# Altium PCB EDA-03518-V3-0_pcb.pcbdoc (part 7 of 14)
Units mm, origin at the board's own origin, x right, y up, seen from the top; angles counter-clockwise.
Board outline 220 x 230 mm, 8 copper layers (Top Layer, L2P, L3, L4P, L5P, L6, L7P, Bottom Layer), stack 2.18 mm thick; 1190 components, 1445 nets, 5955 pads, 2149 vias.
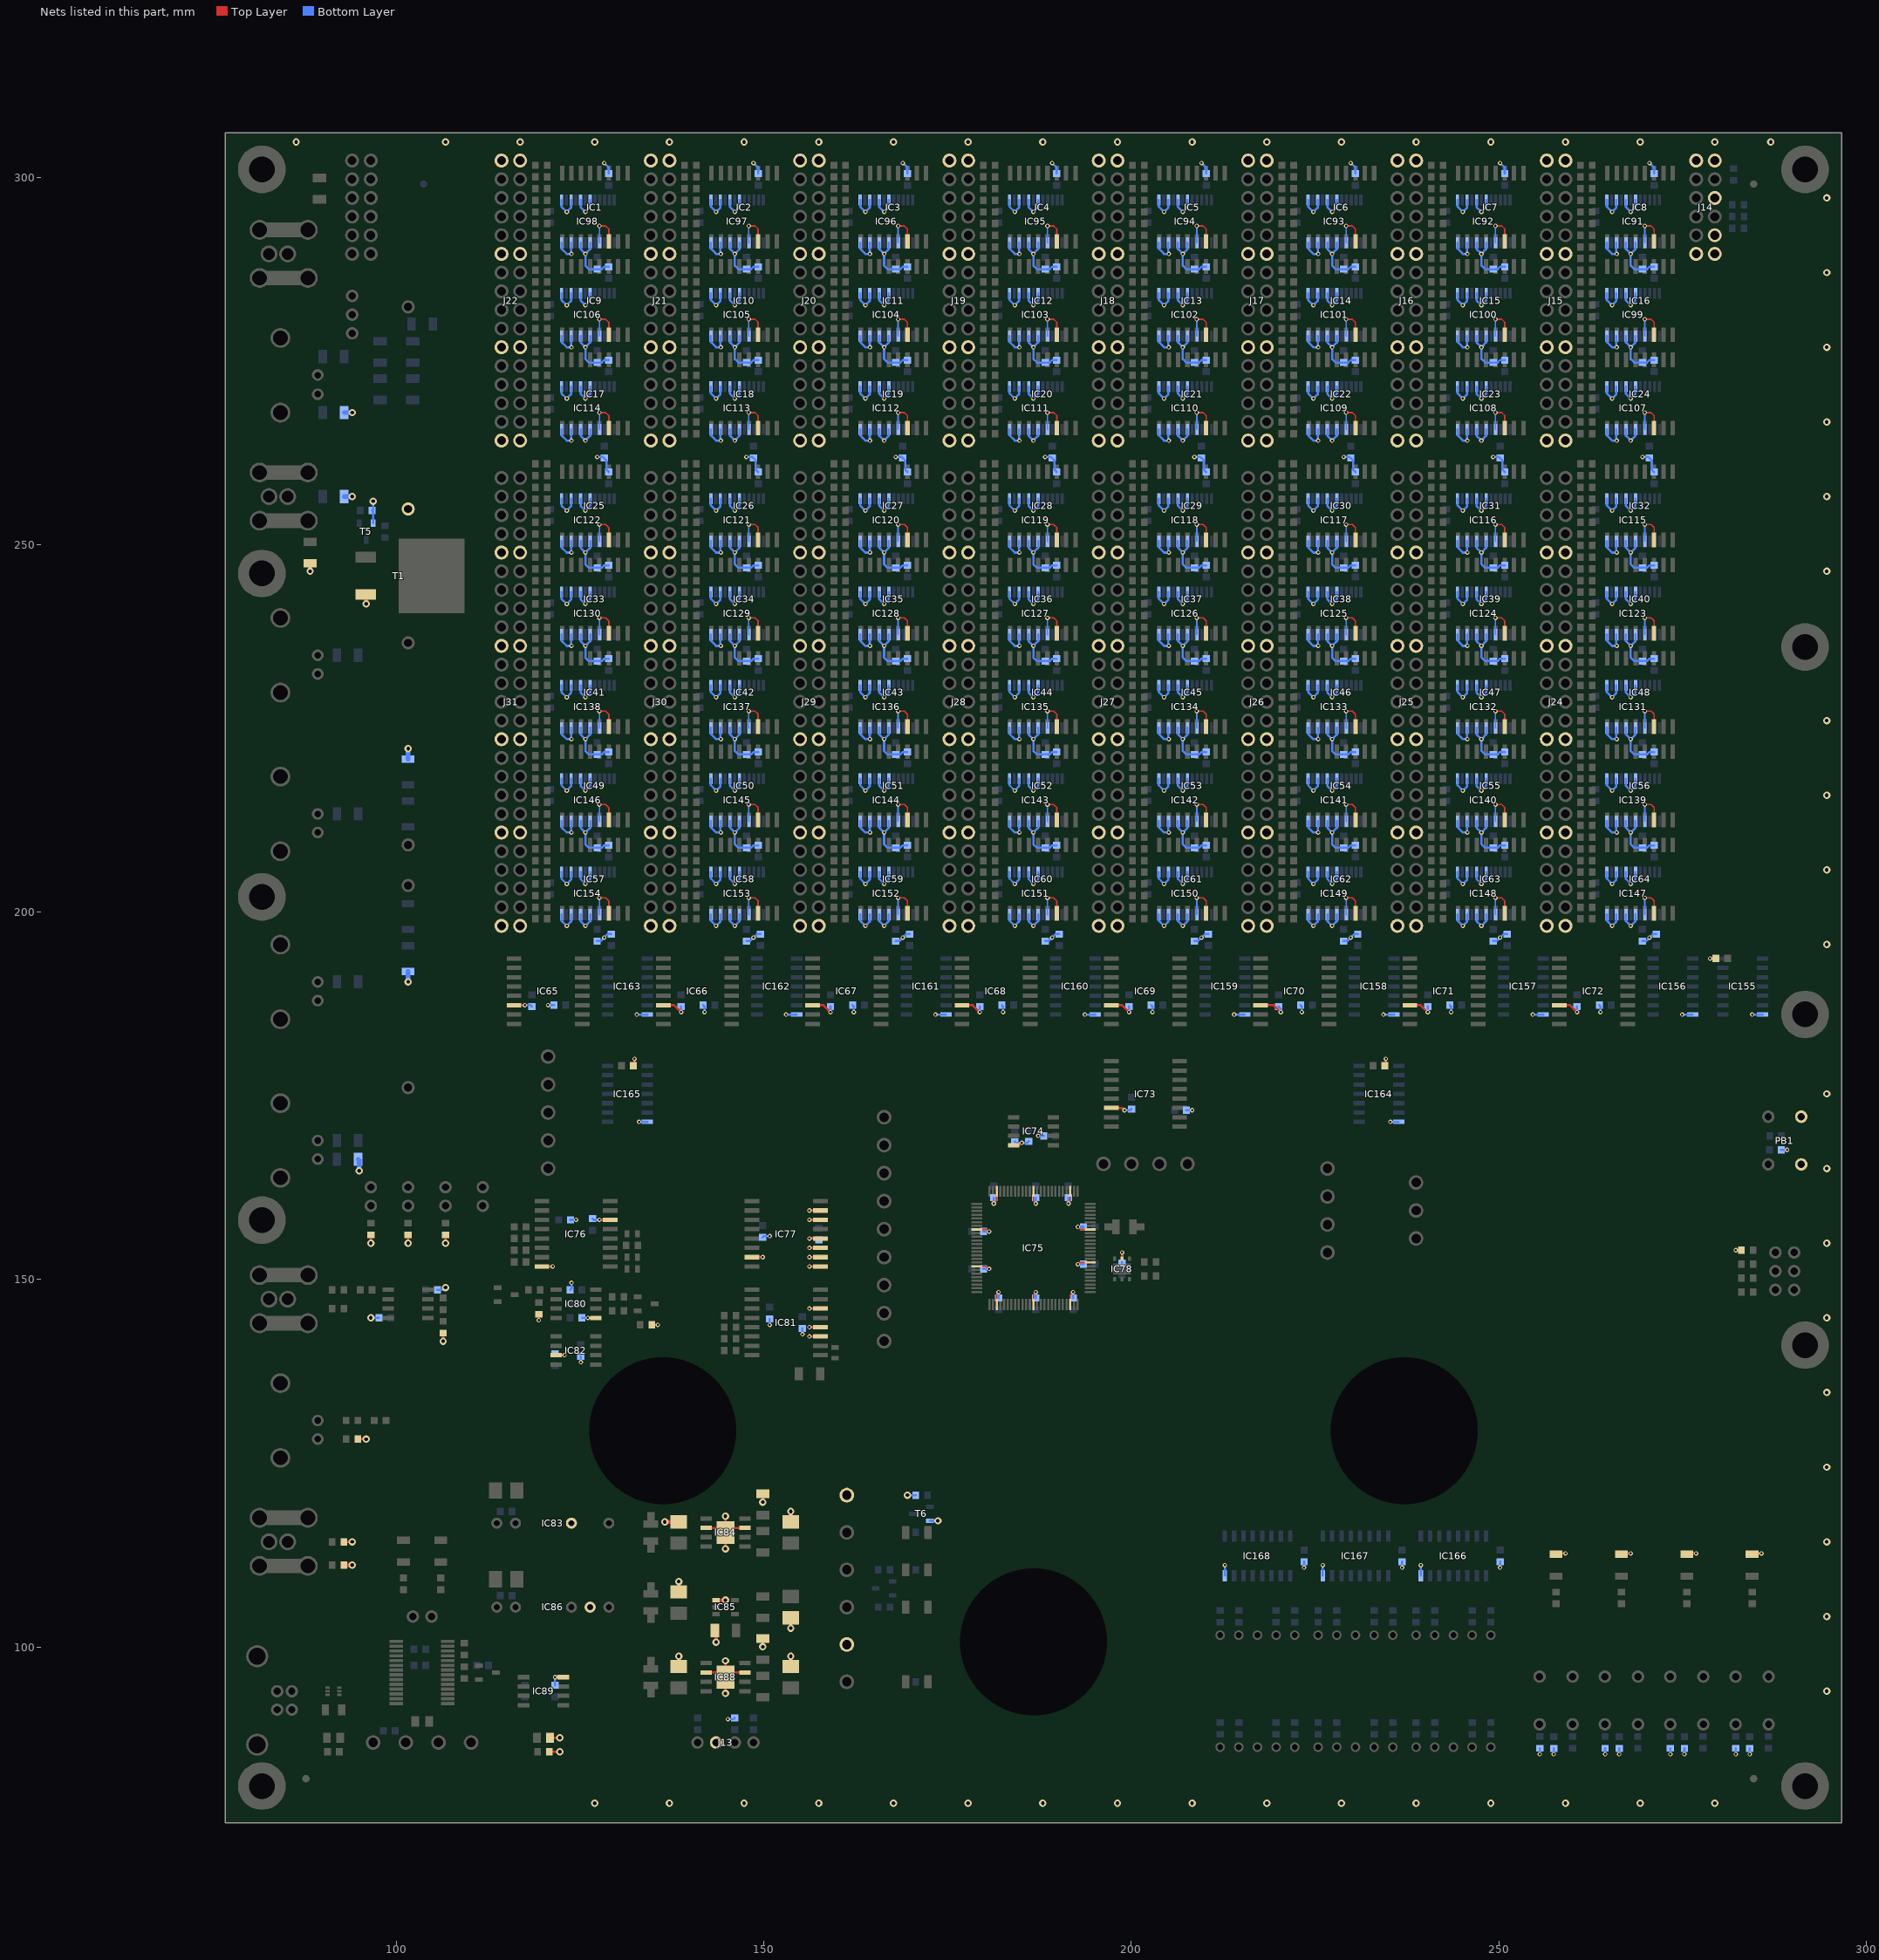
[diagram p13: the nets of this part, all layers, seen from the top]

## Via types
v1: diameter 0.6, hole 0.3, Top Layer to Bottom Layer, tented both sides, 1995 vias
v2: diameter 1, hole 0.5, Top Layer to Bottom Layer, tented both sides, 154 vias

## Nets (pads, with @x,y where several pads share a name; then routed paths per layer and width w, separated by ;. In a path a pad name is that pad's centre, name@x,y a point inside that pad or via, vN(x,y) a via of type N, cw(c..) or ccw(c..) an arc to the next point about the centre after c; other vN are vias at no path point) (continued)
GND: C1.1 C4.1 C5.1 C6.1 C8.2 C9.2 C11.1 C12.1 C13.2 C14.2 C16.1 C17.1 C18.1 C19.1 C20.1 C21.1 C22.1 C23.1 C24.1 C25.1 C26.1 C27.1 C28.1 C29.1 C30.1 C31.1 C32.1 C33.1 C34.1 C35.1 C36.1 C37.1 C38.1 C39.1 C40.1 C41.1 C42.1 C43.1 C44.1 C45.1 C46.1 C47.1 C48.1 C49.1 C50.1 C51.1 C52.1 C53.1 C54.1 C55.1 C56.1 C57.1 C58.1 C59.1 C60.1 C61.1 C62.1 C63.1 C64.1 C65.1 C66.1 C67.1 C68.1 C69.1 C70.1 C71.1 C72.1 C73.1 C74.1 C75.1 C76.1 C77.1 C78.1 C79.1 C80.1 C81.1 C82.1 C83.1 C84.1 C85.1 C86.1 C87.1 C88.1 C89.1 C90.1 C91.1 C92.1 C93.1 C94.1 C95.1 C96.1 C97.1 C98.1 C99.1 C100.1 C101.1 C102.1 C103.1 C104.1 C105.1 C106.1 C107.1 C108.1 C109.1 C110.1 C111.1 C112.1 C113.1 C114.1 C115.1 C116.1 C117.1 C118.1 C119.1 C120.1 C121.1 C122.1 C123.1 C124.1 C125.1 C126.1 C127.1 C128.1 C129.1 C130.1 C131.1 C132.1 C133.1 C134.1 C135.1 C136.1 C137.1 C138.1 C139.1 C140.1 C141.1 C142.1 C143.1 C144.1 C145.1 C146.1 C147.1 C148.1 C149.1 C150.1 C151.1 C152.1 C153.1 C154.1 C155.1 C156.1 C157.1 C158.1 C159.1 C160.1 C161.1 C162.1 C163.1 C164.1 C165.1 C166.1 C167.1 C168.1 C169.1 C170.1 C171.1 C172.1 C173.1 C174.1 C175.1 C176.2 C177.2 C178.1 C179.2 C180.2 C181.1 C182.1 C183.2 C184.1 C185.2 C186.2 C187.1 C188.1 C189.2 C190.2 C191.2 C192.1 C193.1 C194.1 C195.2 C196.1 C197.1 C199.1 C200.1 C201.1 C206.1 C208.1 C210.1 C211.1 C212.1 C213.1 D1.2 D4.2 IC1.14 IC2.14 IC3.14 IC4.14 IC5.14 IC6.14 IC7.14 IC8.14 IC9.14 IC10.14 IC11.14 IC12.14 IC13.14 IC14.14 IC15.14 IC16.14 IC17.14 IC18.14 IC19.14 IC20.14 IC21.14 IC22.14 IC23.14 IC24.14 IC25.14 IC26.14 IC27.14 IC28.14 IC29.14 IC30.14 IC31.14 IC32.14 IC33.14 IC34.14 IC35.14 IC36.14 IC37.14 IC38.14 IC39.14 IC40.14 IC41.14 IC42.14 IC43.14 IC44.14 IC45.14 IC46.14 IC47.14 IC48.14 IC49.14 IC50.14 IC51.14 IC52.14 IC53.14 IC54.14 IC55.14 IC56.14 IC57.14 IC58.14 IC59.14 IC60.14 IC61.14 IC62.14 IC63.14 IC64.14 IC65.14 IC66.14 IC67.14 IC68.14 IC69.14 IC70.14 IC71.14 IC72.14 IC73.14 IC74.4 IC75.3 IC75.13 IC75.23 IC75.33 IC75.43 IC75.53 IC75.63 IC75.73 IC75.84 IC75.93 IC76.8 IC76.14 IC77.7 IC77.9 IC77.10 IC77.11 IC77.12 IC77.14 IC77.15 IC78.2 IC80.5 IC81.11 IC81.12 IC81.14 IC82.3 IC83.5 IC84.3 IC84.6 IC84.9 IC85.1 IC86.6 IC88.3 IC88.6 IC88.9 IC89.4 IC91.4 IC91.6 IC91.8 IC91.10 IC91.12 IC91.13 IC91.15 IC91.17 IC91.19 IC92.4 IC92.6 IC92.8 IC92.10 IC92.12 IC92.13 IC92.15 IC92.17 IC92.19 IC93.4 IC93.6 IC93.8 IC93.10 IC93.12 IC93.13 IC93.15 IC93.17 IC93.19 IC94.4 IC94.6 IC94.8 IC94.10 IC94.12 IC94.13 IC94.15 IC94.17 IC94.19 IC95.4 IC95.6 IC95.8 IC95.10 IC95.12 IC95.13 IC95.15 IC95.17 IC95.19 IC96.4 IC96.6 IC96.8 IC96.10 IC96.12 IC96.13 IC96.15 IC96.17 IC96.19 IC97.4 IC97.6 IC97.8 IC97.10 IC97.12 IC97.13 IC97.15 IC97.17 IC97.19 IC98.4 IC98.6 IC98.8 IC98.10 IC98.12 IC98.13 IC98.15 IC98.17 IC98.19 IC99.4 IC99.6 IC99.8 IC99.10 IC99.12 IC99.13 IC99.15 IC99.17 IC99.19 IC100.4 IC100.6 IC100.8 IC100.10 IC100.12 IC100.13 IC100.15 IC100.17 IC100.19 IC101.4 IC101.6 IC101.8 IC101.10 IC101.12 IC101.13 IC101.15 IC101.17 IC101.19 IC102.4 IC102.6 IC102.8 IC102.10 IC102.12 IC102.13 IC102.15 IC102.17 IC102.19 IC103.4 IC103.6 IC103.8 IC103.10 IC103.12 IC103.13 IC103.15 IC103.17 IC103.19 IC104.4 IC104.6 IC104.8 IC104.10 IC104.12 IC104.13 IC104.15 IC104.17 IC104.19 IC105.4 IC105.6 IC105.8 IC105.10 IC105.12 IC105.13 IC105.15 IC105.17 IC105.19 IC106.4 IC106.6 IC106.8 IC106.10 IC106.12 IC106.13 IC106.15 IC106.17 IC106.19 IC107.4 IC107.6 IC107.8 IC107.10 IC107.12 IC107.13 IC107.15 IC107.17 IC107.19 IC108.4 IC108.6 IC108.8 IC108.10 IC108.12 IC108.13 IC108.15 IC108.17 IC108.19 IC109.4 IC109.6 IC109.8 IC109.10 IC109.12 IC109.13 IC109.15 IC109.17 IC109.19 IC110.4 IC110.6 IC110.8 IC110.10 IC110.12 IC110.13 IC110.15 IC110.17 IC110.19 IC111.4 IC111.6 IC111.8 IC111.10 IC111.12 IC111.13 IC111.15 IC111.17 IC111.19 IC112.4 IC112.6 IC112.8 IC112.10 IC112.12 IC112.13 IC112.15 IC112.17 IC112.19 IC113.4 IC113.6 IC113.8 IC113.10 IC113.12 IC113.13 IC113.15 IC113.17 IC113.19 IC114.4 IC114.6 IC114.8 IC114.10 IC114.12 IC114.13 IC114.15 IC114.17 IC114.19 IC115.4 IC115.6 IC115.8 IC115.10 IC115.12 IC115.13 IC115.15 IC115.17 IC115.19 IC116.4 IC116.6 IC116.8 IC116.10 IC116.12 IC116.13 IC116.15 IC116.17 IC116.19 IC117.4 IC117.6 IC117.8 IC117.10 IC117.12 IC117.13 IC117.15 IC117.17 IC117.19 IC118.4 IC118.6 IC118.8 IC118.10 IC118.12 IC118.13 IC118.15 IC118.17 IC118.19 IC119.4 IC119.6 IC119.8 IC119.10 IC119.12 IC119.13 IC119.15 IC119.17 IC119.19 IC120.4 IC120.6 IC120.8 IC120.10 IC120.12 IC120.13 IC120.15 IC120.17 IC120.19 IC121.4 IC121.6 IC121.8 IC121.10 IC121.12 IC121.13 IC121.15 IC121.17 IC121.19 IC122.4 IC122.6 IC122.8 IC122.10 IC122.12 IC122.13 IC122.15 IC122.17 IC122.19 IC123.4 IC123.6 IC123.8 IC123.10 IC123.12 IC123.13 IC123.15 IC123.17 IC123.19 IC124.4 IC124.6 IC124.8 IC124.10 IC124.12 IC124.13 IC124.15 IC124.17 IC124.19 IC125.4 IC125.6 IC125.8 IC125.10 IC125.12 IC125.13 IC125.15 IC125.17 IC125.19 IC126.4 IC126.6 IC126.8 IC126.10 IC126.12 IC126.13 IC126.15 IC126.17 IC126.19 IC127.4 IC127.6 IC127.8 IC127.10 IC127.12 IC127.13 IC127.15 IC127.17 IC127.19 IC128.4 IC128.6 IC128.8 IC128.10 IC128.12 IC128.13 IC128.15 IC128.17 IC128.19 IC129.4 IC129.6 IC129.8 IC129.10 IC129.12 IC129.13 IC129.15 IC129.17 IC129.19 IC130.4 IC130.6 IC130.8 IC130.10 IC130.12 IC130.13 IC130.15 IC130.17 IC130.19 IC131.4 IC131.6 IC131.8 IC131.10 IC131.12 IC131.13 IC131.15 IC131.17 IC131.19 IC132.4 IC132.6 IC132.8 IC132.10 IC132.12 IC132.13 IC132.15 IC132.17 IC132.19 IC133.4 IC133.6 IC133.8 IC133.10 IC133.12 IC133.13 IC133.15 IC133.17 IC133.19 IC134.4 IC134.6 IC134.8 IC134.10 IC134.12 IC134.13 IC134.15 IC134.17 IC134.19 IC135.4 IC135.6 IC135.8 IC135.10 IC135.12 IC135.13 IC135.15 IC135.17 IC135.19 IC136.4 IC136.6 IC136.8 IC136.10 IC136.12 IC136.13 IC136.15 IC136.17 IC136.19 IC137.4 IC137.6 IC137.8 IC137.10 IC137.12 IC137.13 IC137.15 IC137.17 IC137.19 IC138.4 IC138.6 IC138.8 IC138.10 IC138.12 IC138.13 IC138.15 IC138.17 IC138.19 IC139.4 IC139.6 IC139.8 IC139.10 IC139.12 IC139.13 IC139.15 IC139.17 IC139.19 IC140.4 IC140.6 IC140.8 IC140.10 IC140.12 IC140.13 IC140.15 IC140.17 IC140.19 IC141.4 IC141.6 IC141.8 IC141.10 IC141.12 IC141.13 IC141.15 IC141.17 IC141.19 IC142.4 IC142.6 IC142.8 IC142.10 IC142.12 IC142.13 IC142.15 IC142.17 IC142.19 IC143.4 IC143.6 IC143.8 IC143.10 IC143.12 IC143.13 IC143.15 IC143.17 IC143.19 IC144.4 IC144.6 IC144.8 IC144.10 IC144.12 IC144.13 IC144.15 IC144.17 IC144.19 IC145.4 IC145.6 IC145.8 IC145.10 IC145.12 IC145.13 IC145.15 IC145.17 IC145.19 IC146.4 IC146.6 IC146.8 IC146.10 IC146.12 IC146.13 IC146.15 IC146.17 IC146.19 IC147.4 IC147.6 IC147.8 IC147.10 IC147.12 IC147.13 IC147.15 IC147.17 IC147.19 IC148.4 IC148.6 IC148.8 IC148.10 IC148.12 IC148.13 IC148.15 IC148.17 IC148.19 IC149.4 IC149.6 IC149.8 IC149.10 IC149.12 IC149.13 IC149.15 IC149.17 IC149.19 IC150.4 IC150.6 IC150.8 IC150.10 IC150.12 IC150.13 IC150.15 IC150.17 IC150.19 IC151.4 IC151.6 IC151.8 IC151.10 IC151.12 IC151.13 IC151.15 IC151.17 IC151.19 IC152.4 IC152.6 IC152.8 IC152.10 IC152.12 IC152.13 IC152.15 IC152.17 IC152.19 IC153.4 IC153.6 IC153.8 IC153.10 IC153.12 IC153.13 IC153.15 IC153.17 IC153.19 IC154.4 IC154.6 IC154.8 IC154.10 IC154.12 IC154.13 IC154.15 IC154.17 IC154.19 IC155.7 IC156.7 IC157.7 IC158.7 IC159.7 IC160.7 IC161.7 IC162.7 IC163.7 IC164.7 IC165.7 IC166.8 IC167.8 IC168.8 J13.3 J14.1 J14.2 J14.3 J14.7 J14.11 J14.12 J15.1 J15.2 J15.11 J15.12 J15.21 J15.22 J15.31 J15.32 J16.1 J16.2 J16.11 J16.12 J16.21 J16.22 J16.31 J16.32 J17.1 J17.2 J17.11 J17.12 J17.21 J17.22 J17.31 J17.32 J18.1 J18.2 J18.11 J18.12 J18.21 J18.22 J18.31 J18.32 J19.1 J19.2 J19.11 J19.12 J19.21 J19.22 J19.31 J19.32 J20.1 J20.2 J20.11 J20.12 J20.21 J20.22 J20.31 J20.32 J21.1 J21.2 J21.11 J21.12 J21.21 J21.22 J21.31 J21.32 J22.1 J22.2 J22.11 J22.12 J22.21 J22.22 J22.31 J22.32 J24.1 J24.2 J24.11 J24.12 J24.21 J24.22 J24.31 J24.32 J24.41 J24.42 J25.1 J25.2 J25.11 J25.12 J25.21 J25.22 J25.31 J25.32 J25.41 J25.42 J26.1 J26.2 J26.11 J26.12 J26.21 J26.22 J26.31 J26.32 J26.41 J26.42 J27.1 J27.2 J27.11 J27.12 J27.21 J27.22 J27.31 J27.32 J27.41 J27.42 J28.1 J28.2 J28.11 J28.12 J28.21 J28.22 J28.31 J28.32 J28.41 J28.42 J29.1 J29.2 J29.11 J29.12 J29.21 J29.22 J29.31 J29.32 J29.41 J29.42 J30.1 J30.2 J30.11 J30.12 J30.21 J30.22 J30.31 J30.32 J30.41 J30.42 J31.1 J31.2 J31.11 J31.12 J31.21 J31.22 J31.31 J31.32 J31.41 J31.42 LD4.1 LD5.1 LD6.1 LD7.1 PB1.1 PB1.2 R250.1 R515.1 R516.1 R517.1 R523.2 R537.1 R541.1 R542.1 R550.1 R551.1 R553.1 R554.1 R562.2 R563.1 R568.1 R603.1 R604.1 R613.1 R652.1 R654.1 R687.1 R689.1 R691.1 R693.1 T1.2 T5.2 T6.2 TP26.1 TP30.1 | length 1828.7
  Top Layer w0.203: v1(127.635,201.93) 128.486,201.93 128.905,201.511 IC57.14@128.905,199.82 ; v1(127.635,214.63) 128.486,214.63 128.905,214.211 IC49.14@128.905,212.52 ; v1(127.635,227.33) 128.486,227.33 128.905,226.911 IC41.14@128.905,225.22 ; v1(127.635,240.03) 128.486,240.03 128.905,239.611 IC33.14@128.905,237.92 ; v1(127.635,252.73) 128.486,252.73 128.905,252.311 IC25.14@128.905,250.62 ; v1(127.635,267.97) 128.486,267.97 128.905,267.551 IC17.14@128.905,265.86 ; v1(127.635,280.67) 128.486,280.67 128.905,280.251 IC9.14@128.905,278.56 ; v1(127.635,293.37) 128.486,293.37 128.905,292.951 IC1.14@128.905,291.26 ; v1(147.955,201.93) 148.806,201.93 149.225,201.511 IC58.14@149.225,199.82 ; v1(147.955,214.63) 148.806,214.63 149.225,214.211 IC50.14@149.225,212.52 ; v1(147.955,227.33) 148.806,227.33 149.225,226.911 IC42.14@149.225,225.22 ; v1(147.955,240.03) 148.806,240.03 149.225,239.611 IC34.14@149.225,237.92 ; v1(147.955,252.73) 148.806,252.73 149.225,252.311 IC26.14@149.225,250.62 ; v1(147.955,267.97) 148.806,267.97 149.225,267.551 IC18.14@149.225,265.86 ; v1(147.955,280.67) 148.806,280.67 149.225,280.251 IC10.14@149.225,278.56 ; v1(147.955,293.37) 148.806,293.37 149.225,292.951 IC2.14@149.225,291.26 ; v1(168.275,201.93) 169.126,201.93 169.545,201.511 IC59.14@169.545,199.82 ; v1(168.275,214.63) 169.126,214.63 169.545,214.211 IC51.14@169.545,212.52 ; v1(168.275,227.33) 169.126,227.33 169.545,226.911 IC43.14@169.545,225.22 ; v1(168.275,240.03) 169.126,240.03 169.545,239.611 IC35.14@169.545,237.92 ; v1(168.275,252.73) 169.126,252.73 169.545,252.311 IC27.14@169.545,250.62 ; v1(168.275,267.97) 169.126,267.97 169.545,267.551 IC19.14@169.545,265.86 ; v1(168.275,280.67) 169.126,280.67 169.545,280.251 IC11.14@169.545,278.56 ; v1(168.275,293.37) 169.126,293.37 169.545,292.951 IC3.14@169.545,291.26 ; IC75.43@178.99,151.805 180.3,151.805 v1(180.657,151.447) ; IC75.33@178.99,156.805 180.38,156.805 v1(180.657,156.528) ; v1(181.292,160.338) 181.69,160.735 IC75.23@181.69,162.005 ; IC75.53@181.69,146.605 181.69,148.035 v1(181.927,148.273) ; IC75.63@186.69,146.605 186.69,147.955 v1(187.007,148.273) ; IC75.13@186.69,162.005 186.69,160.655 v1(187.007,160.338) ; v1(188.595,201.93) 189.446,201.93 189.865,201.511 IC60.14@189.865,199.82 ; v1(188.595,214.63) 189.446,214.63 189.865,214.211 IC52.14@189.865,212.52 ; v1(188.595,227.33) 189.446,227.33 189.865,226.911 IC44.14@189.865,225.22 ; v1(188.595,240.03) 189.446,240.03 189.865,239.611 IC36.14@189.865,237.92 ; v1(188.595,252.73) 189.446,252.73 189.865,252.311 IC28.14@189.865,250.62 ; v1(188.595,267.97) 189.446,267.97 189.865,267.551 IC20.14@189.865,265.86 ; v1(188.595,280.67) 189.446,280.67 189.865,280.251 IC12.14@189.865,278.56 ; v1(188.595,293.37) 189.446,293.37 189.865,292.951 IC4.14@189.865,291.26 ; v1(191.452,160.338) 191.69,160.575 IC75.3@191.69,162.005 ; IC75.73@191.69,146.605 191.69,147.875 v1(192.088,148.273) ; v1(192.722,152.082) 192.945,152.305 IC75.84@194.39,152.305 ; v1(192.722,157.162) 193.08,156.805 IC75.93@194.39,156.805 ; v1(208.915,201.93) 209.766,201.93 210.185,201.511 IC61.14@210.185,199.82 ; v1(208.915,214.63) 209.766,214.63 210.185,214.211 IC53.14@210.185,212.52 ; v1(208.915,227.33) 209.766,227.33 210.185,226.911 IC45.14@210.185,225.22 ; v1(208.915,240.03) 209.766,240.03 210.185,239.611 IC37.14@210.185,237.92 ; v1(208.915,252.73) 209.766,252.73 210.185,252.311 IC29.14@210.185,250.62 ; v1(208.915,267.97) 209.766,267.97 210.185,267.551 IC21.14@210.185,265.86 ; v1(208.915,280.67) 209.766,280.67 210.185,280.251 IC13.14@210.185,278.56 ; v1(208.915,293.37) 209.766,293.37 210.185,292.951 IC5.14@210.185,291.26 ; v1(229.235,201.93) 230.086,201.93 230.505,201.511 IC62.14@230.505,199.82 ; v1(229.235,214.63) 230.086,214.63 230.505,214.211 IC54.14@230.505,212.52 ; v1(229.235,227.33) 230.086,227.33 230.505,226.911 IC46.14@230.505,225.22 ; v1(229.235,240.03) 230.086,240.03 230.505,239.611 IC38.14@230.505,237.92 ; v1(229.235,252.73) 230.086,252.73 230.505,252.311 IC30.14@230.505,250.62 ; v1(229.235,267.97) 230.086,267.97 230.505,267.551 IC22.14@230.505,265.86 ; v1(229.235,280.67) 230.086,280.67 230.505,280.251 IC14.14@230.505,278.56 ; v1(229.235,293.37) 230.086,293.37 230.505,292.951 IC6.14@230.505,291.26 ; v1(249.555,201.93) 250.406,201.93 250.825,201.511 IC63.14@250.825,199.82 ; v1(249.555,214.63) 250.406,214.63 250.825,214.211 IC55.14@250.825,212.52 ; v1(249.555,227.33) 250.406,227.33 250.825,226.911 IC47.14@250.825,225.22 ; v1(249.555,240.03) 250.406,240.03 250.825,239.611 IC39.14@250.825,237.92 ; v1(249.555,252.73) 250.406,252.73 250.825,252.311 IC31.14@250.825,250.62 ; v1(249.555,267.97) 250.406,267.97 250.825,267.551 IC23.14@250.825,265.86 ; v1(249.555,280.67) 250.406,280.67 250.825,280.251 IC15.14@250.825,278.56 ; v1(249.555,293.37) 250.406,293.37 250.825,292.951 IC7.14@250.825,291.26 ; v1(269.875,201.93) 270.726,201.93 271.145,201.511 IC64.14@271.145,199.82 ; v1(269.875,214.63) 270.726,214.63 271.145,214.211 IC56.14@271.145,212.52 ; v1(269.875,227.33) 270.726,227.33 271.145,226.911 IC48.14@271.145,225.22 ; v1(269.875,240.03) 270.726,240.03 271.145,239.611 IC40.14@271.145,237.92 ; v1(269.875,252.73) 270.726,252.73 271.145,252.311 IC32.14@271.145,250.62 ; v1(269.875,267.97) 270.726,267.97 271.145,267.551 IC24.14@271.145,265.86 ; v1(269.875,280.67) 270.726,280.67 271.145,280.251 IC16.14@271.145,278.56 ; v1(269.875,293.37) 270.726,293.37 271.145,292.951 IC8.14@271.145,291.26
  Top Layer w0.305: R553.1@92.875,114.3 v2(93.98,114.3) ; R550.1@94.78,128.27 v2(95.885,128.27) ; v2(96.52,154.94) R515.1@96.52,156.045 ; v2(101.6,154.94) R516.1@101.6,156.045 ; v2(106.362,141.605) R541.1@106.362,142.71 ; v2(106.68,154.94) R517.1@106.68,156.045 ; IC65.14@116,187.325 v1(117.475,187.325) ; v1(119.38,144.463) R537.1@119.38,145.25 ; IC76.8@119.81,151.765 v1(121.285,151.765) ; R568.1@120.815,85.725 v2(122.237,85.725) ; C16.1@120.915,87.63 v2(122.237,87.63) ; v1(121.602,95.885) IC89.4@122.715,95.885 ; IC82.3@121.76,139.7 v1(122.872,139.7) ; v1(126.047,144.78) IC80.5@127.16,144.78 ; v1(127.635,158.115) IC76.14@129.11,158.115 ; C5.1@132.245,179.07 132.398,179.222 v1(132.398,180.022) ; R542.1@134.785,143.827 v1(135.572,143.827) ; IC66.14@136.32,187.325 137.795,187.325 v1(138.748,186.373) ; IC88.6@142.13,96.52 144.145,96.52 IC88.9@144.78,95.885 ; IC84.6@142.13,116.205 144.145,116.205 IC84.9@144.78,115.57 ; v2(144.78,93.662) IC88.9@144.78,95.885 ; v2(144.78,98.108) IC88.9@144.78,95.885 ; v2(144.78,113.347) IC84.9@144.78,115.57 ; v2(144.78,117.792) IC84.9@144.78,115.57 ; IC88.3@147.43,96.52 145.415,96.52 IC88.9@144.78,95.885 ; IC84.3@147.43,116.205 145.415,116.205 IC84.9@144.78,115.57 ; IC77.7@148.385,153.035 v1(149.86,153.035) ; v1(156.21,142.24) IC81.11@157.685,142.24 ; v1(156.21,143.51) IC81.12@157.685,143.51 ; v1(156.21,146.05) IC81.14@157.685,146.05 ; v1(156.21,151.765) IC77.9@157.685,151.765 ; v1(156.21,153.035) IC77.10@157.685,153.035 ; v1(156.21,154.305) IC77.11@157.685,154.305 ; v1(156.21,155.575) IC77.12@157.685,155.575 ; v1(156.21,158.115) IC77.14@157.685,158.115 ; v1(156.21,159.385) IC77.15@157.685,159.385 ; IC67.14@156.64,187.325 158.115,187.325 v1(159.067,186.373) ; IC68.14@176.96,187.325 178.435,187.325 v1(179.387,186.373) ; IC74.4@183.99,168.275 184.785,168.275 v1(185.102,168.593) ; IC73.14@197.28,173.355 198.755,173.355 v1(199.072,173.037) ; IC69.14@197.28,187.325 198.755,187.325 v1(199.707,186.373) ; IC78.2@198.755,152.847 v1(198.755,153.67) ; IC70.14@217.6,187.325 219.392,187.325 v1(220.345,186.373) ; C6.1@234.48,179.07 234.632,179.222 v1(234.632,180.022) ; IC71.14@237.92,187.325 239.395,187.325 v1(240.347,186.373) ; LD4.1@257.81,112.625 257.898,112.712 v1(259.08,112.712) ; IC72.14@258.24,187.325 259.715,187.325 v1(260.667,186.373) ; LD5.1@266.7,112.625 266.788,112.712 v1(267.97,112.712) ; LD6.1@275.59,112.625 275.678,112.712 v1(276.86,112.712) ; v1(278.765,193.675) C4.1@279.552,193.675 ; v1(282.257,153.987) R523.2@283.045,153.987 ; LD7.1@284.48,112.625 284.568,112.712 v1(285.75,112.712)
  Top Layer w0.508: v2(136.525,116.999) 138.091,116.999 138.25,116.84 C8.2@138.43,117.02 ; C13.2@138.43,97.335 v2(138.43,98.742) ; C11.1@138.43,107.495 v2(138.43,108.902) ; R562.2@143.33,102.235 143.51,102.055 v2(143.51,100.647) ; IC85.1@143.48,106.36 143.482,106.362 v2(144.78,106.362) ; v2(149.86,100.013) R563.1@149.86,101.145 ; v2(149.86,119.697) R551.1@149.86,120.83 ; C14.2@153.67,97.335 v2(153.67,98.742) ; v2(153.67,102.552) C12.1@153.67,103.96 ; C9.2@153.67,117.02 v2(153.67,118.427)
  Top Layer w0.635: v2(88.265,246.38) R250.1@88.265,247.47 ; R554.1@92.875,111.125 v2(93.98,111.125) ; T1.2@95.85,243.205 95.885,243.17 v2(95.885,241.935)
  Bottom Layer w0.203: v1(127.635,201.93) 127.635,199.703 IC154.4@127.673,199.665 ; v1(127.635,214.63) 127.635,212.403 IC146.4@127.673,212.365 ; v1(127.635,227.33) 127.635,225.103 IC138.4@127.673,225.065 ; v1(127.635,240.03) 127.635,237.803 IC130.4@127.673,237.765 ; v1(127.635,252.73) 127.635,250.503 IC122.4@127.673,250.465 ; v1(127.635,267.97) 127.635,265.743 IC114.4@127.673,265.705 ; v1(127.635,280.67) 127.635,278.443 IC106.4@127.673,278.405 ; v1(127.635,293.37) 127.635,291.143 IC98.4@127.673,291.105 ; v1(147.955,201.93) 147.955,199.703 IC153.4@147.993,199.665 ; v1(147.955,214.63) 147.955,212.403 IC145.4@147.993,212.365 ; v1(147.955,227.33) 147.955,225.103 IC137.4@147.993,225.065 ; v1(147.955,240.03) 147.955,237.803 IC129.4@147.993,237.765 ; v1(147.955,252.73) 147.955,250.503 IC121.4@147.993,250.465 ; v1(147.955,267.97) 147.955,265.743 IC113.4@147.993,265.705 ; v1(147.955,280.67) 147.955,278.443 IC105.4@147.993,278.405 ; v1(147.955,293.37) 147.955,291.143 IC97.4@147.993,291.105 ; v1(168.275,201.93) 168.275,199.703 IC152.4@168.313,199.665 ; v1(168.275,214.63) 168.275,212.403 IC144.4@168.313,212.365 ; v1(168.275,227.33) 168.275,225.103 IC136.4@168.313,225.065 ; v1(168.275,240.03) 168.275,237.803 IC128.4@168.313,237.765 ; v1(168.275,252.73) 168.275,250.503 IC120.4@168.313,250.465 ; v1(168.275,267.97) 168.275,265.743 IC112.4@168.313,265.705 ; v1(168.275,280.67) 168.275,278.443 IC104.4@168.313,278.405 ; v1(168.275,293.37) 168.275,291.143 IC96.4@168.313,291.105 ; v1(188.595,201.93) 188.595,199.703 IC151.4@188.633,199.665 ; v1(188.595,214.63) 188.595,212.403 IC143.4@188.633,212.365 ; v1(188.595,227.33) 188.595,225.103 IC135.4@188.633,225.065 ; v1(188.595,240.03) 188.595,237.803 IC127.4@188.633,237.765 ; v1(188.595,252.73) 188.595,250.503 IC119.4@188.633,250.465 ; v1(188.595,267.97) 188.595,265.743 IC111.4@188.633,265.705 ; v1(188.595,280.67) 188.595,278.443 IC103.4@188.633,278.405 ; v1(188.595,293.37) 188.595,291.143 IC95.4@188.633,291.105 ; v1(208.915,201.93) 208.915,199.703 IC150.4@208.953,199.665 ; v1(208.915,214.63) 208.915,212.403 IC142.4@208.953,212.365 ; v1(208.915,227.33) 208.915,225.103 IC134.4@208.953,225.065 ; v1(208.915,240.03) 208.915,237.803 IC126.4@208.953,237.765 ; v1(208.915,252.73) 208.915,250.503 IC118.4@208.953,250.465 ; v1(208.915,267.97) 208.915,265.743 IC110.4@208.953,265.705 ; v1(208.915,280.67) 208.915,278.443 IC102.4@208.953,278.405 ; v1(208.915,293.37) 208.915,291.143 IC94.4@208.953,291.105 ; v1(229.235,201.93) 229.235,199.703 IC149.4@229.273,199.665 ; v1(229.235,214.63) 229.235,212.403 IC141.4@229.273,212.365 ; v1(229.235,227.33) 229.235,225.103 IC133.4@229.273,225.065 ; v1(229.235,240.03) 229.235,237.803 IC125.4@229.273,237.765 ; v1(229.235,252.73) 229.235,250.503 IC117.4@229.273,250.465 ; v1(229.235,267.97) 229.235,265.743 IC109.4@229.273,265.705 ; v1(229.235,280.67) 229.235,278.443 IC101.4@229.273,278.405 ; v1(229.235,293.37) 229.235,291.143 IC93.4@229.273,291.105 ; v1(249.555,201.93) 249.555,199.703 IC148.4@249.593,199.665 ; v1(249.555,214.63) 249.555,212.403 IC140.4@249.593,212.365 ; v1(249.555,227.33) 249.555,225.103 IC132.4@249.593,225.065 ; v1(249.555,240.03) 249.555,237.803 IC124.4@249.593,237.765 ; v1(249.555,252.73) 249.555,250.503 IC116.4@249.593,250.465 ; v1(249.555,267.97) 249.555,265.743 IC108.4@249.593,265.705 ; v1(249.555,280.67) 249.555,278.443 IC100.4@249.593,278.405 ; v1(249.555,293.37) 249.555,291.143 IC92.4@249.593,291.105 ; v1(269.875,201.93) 269.875,199.703 IC147.4@269.913,199.665 ; v1(269.875,214.63) 269.875,212.403 IC139.4@269.913,212.365 ; v1(269.875,227.33) 269.875,225.103 IC131.4@269.913,225.065 ; v1(269.875,240.03) 269.875,237.803 IC123.4@269.913,237.765 ; v1(269.875,252.73) 269.875,250.503 IC115.4@269.913,250.465 ; v1(269.875,267.97) 269.875,265.743 IC107.4@269.913,265.705 ; v1(269.875,280.67) 269.875,278.443 IC99.4@269.913,278.405 ; v1(269.875,293.37) 269.875,291.143 IC91.4@269.913,291.105